# Altium PCB PIC18F_SUBSYSTEM_V1I1_PCB.PcbDoc
Units mm, origin at the board's own origin, x right, y up, seen from the top; angles counter-clockwise.
Board outline 70 x 70 mm, 2 copper layers (Top Layer, Bottom Layer), stack 1.671 mm thick; 70 components, 70 nets, 266 pads, 74 vias.
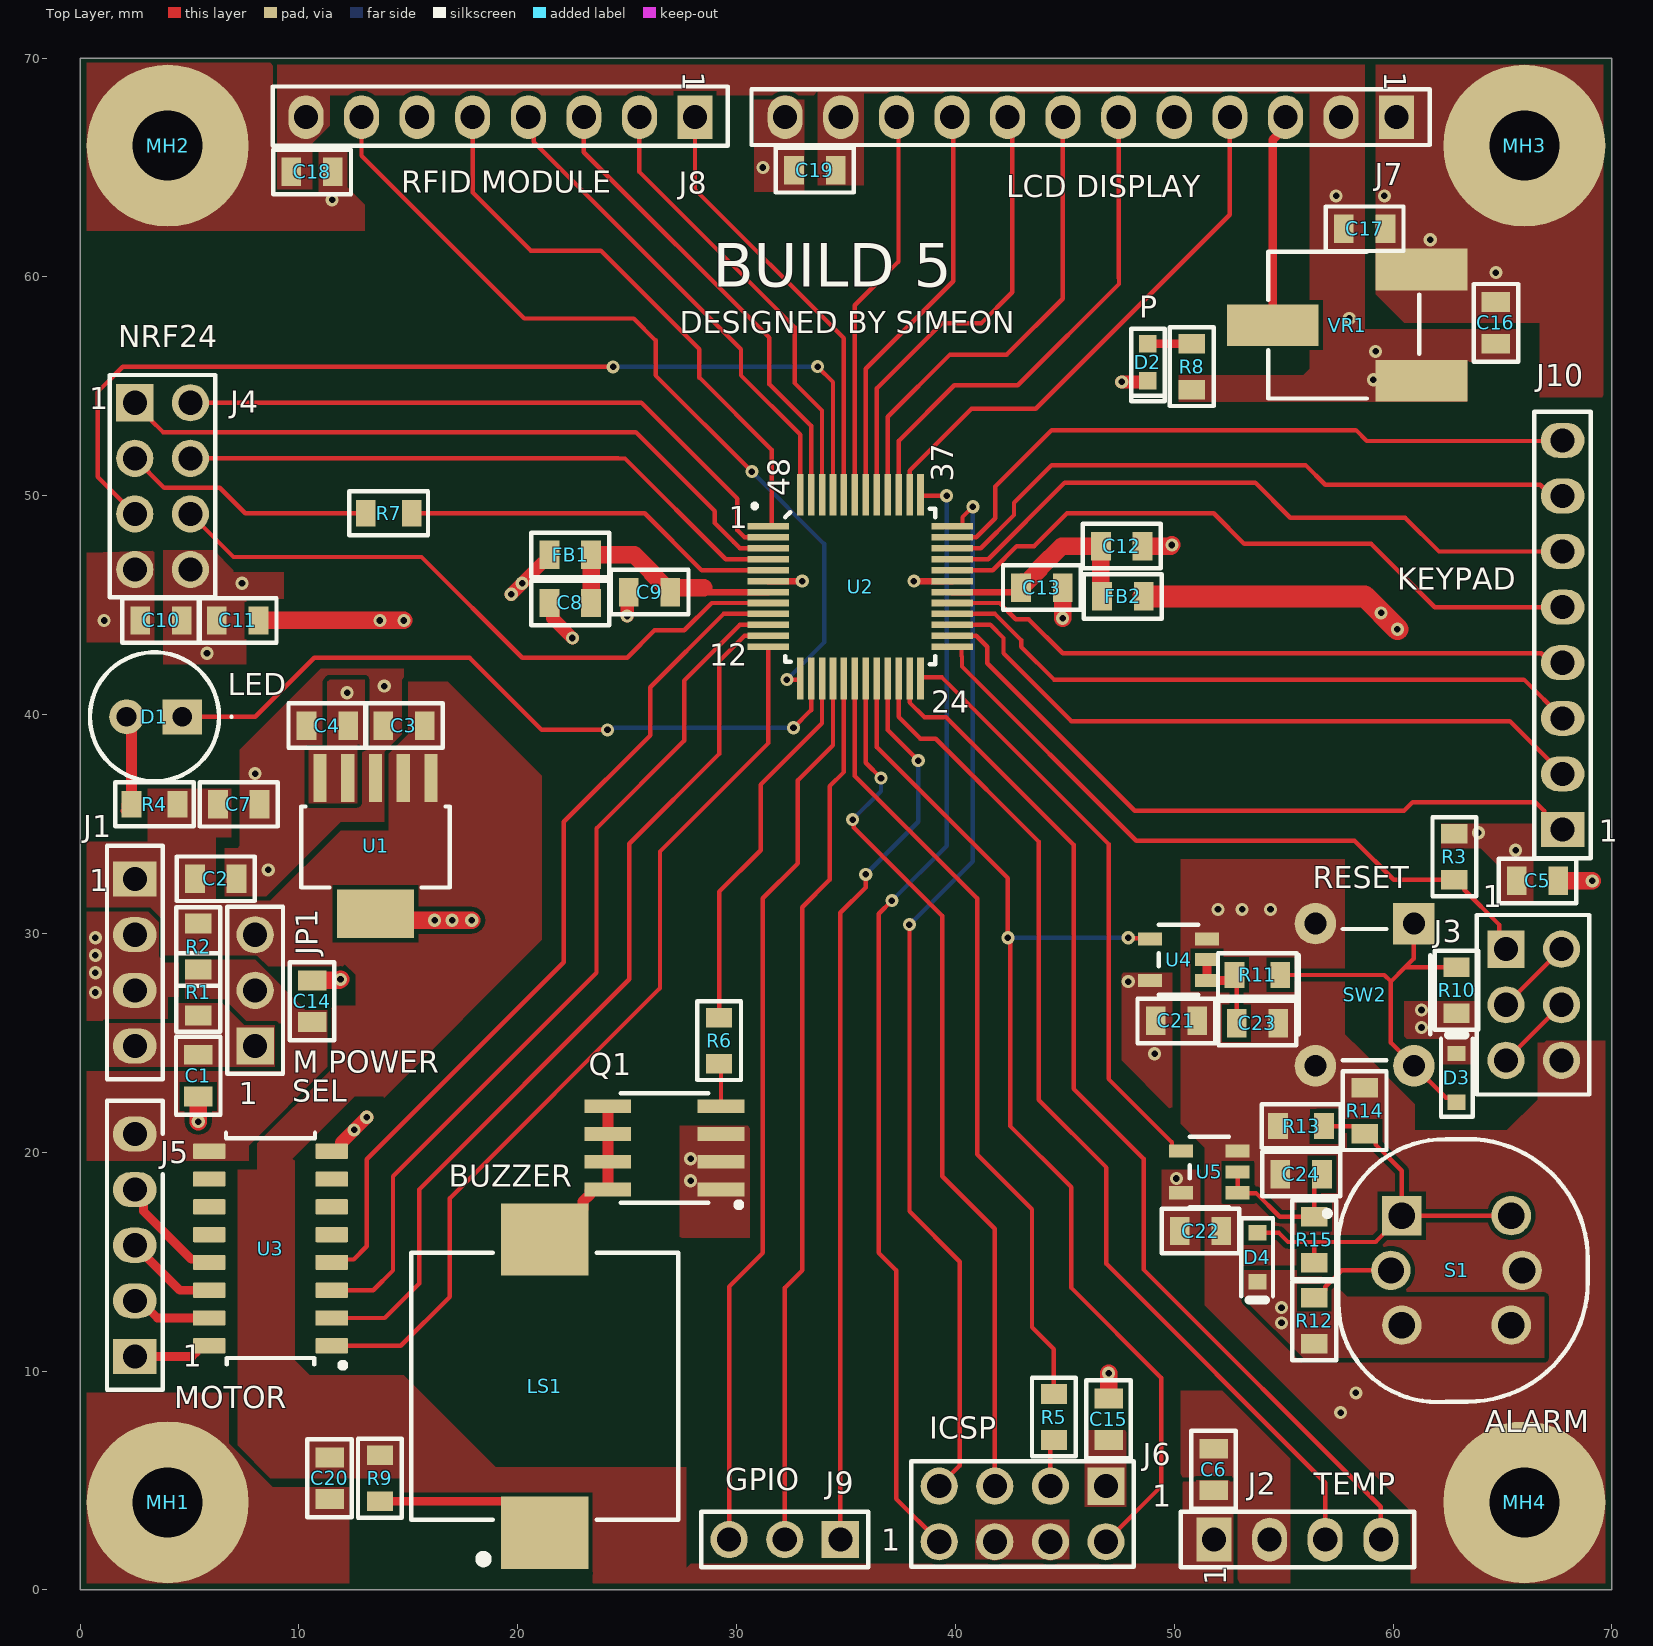
[diagram p0: Top Layer view]
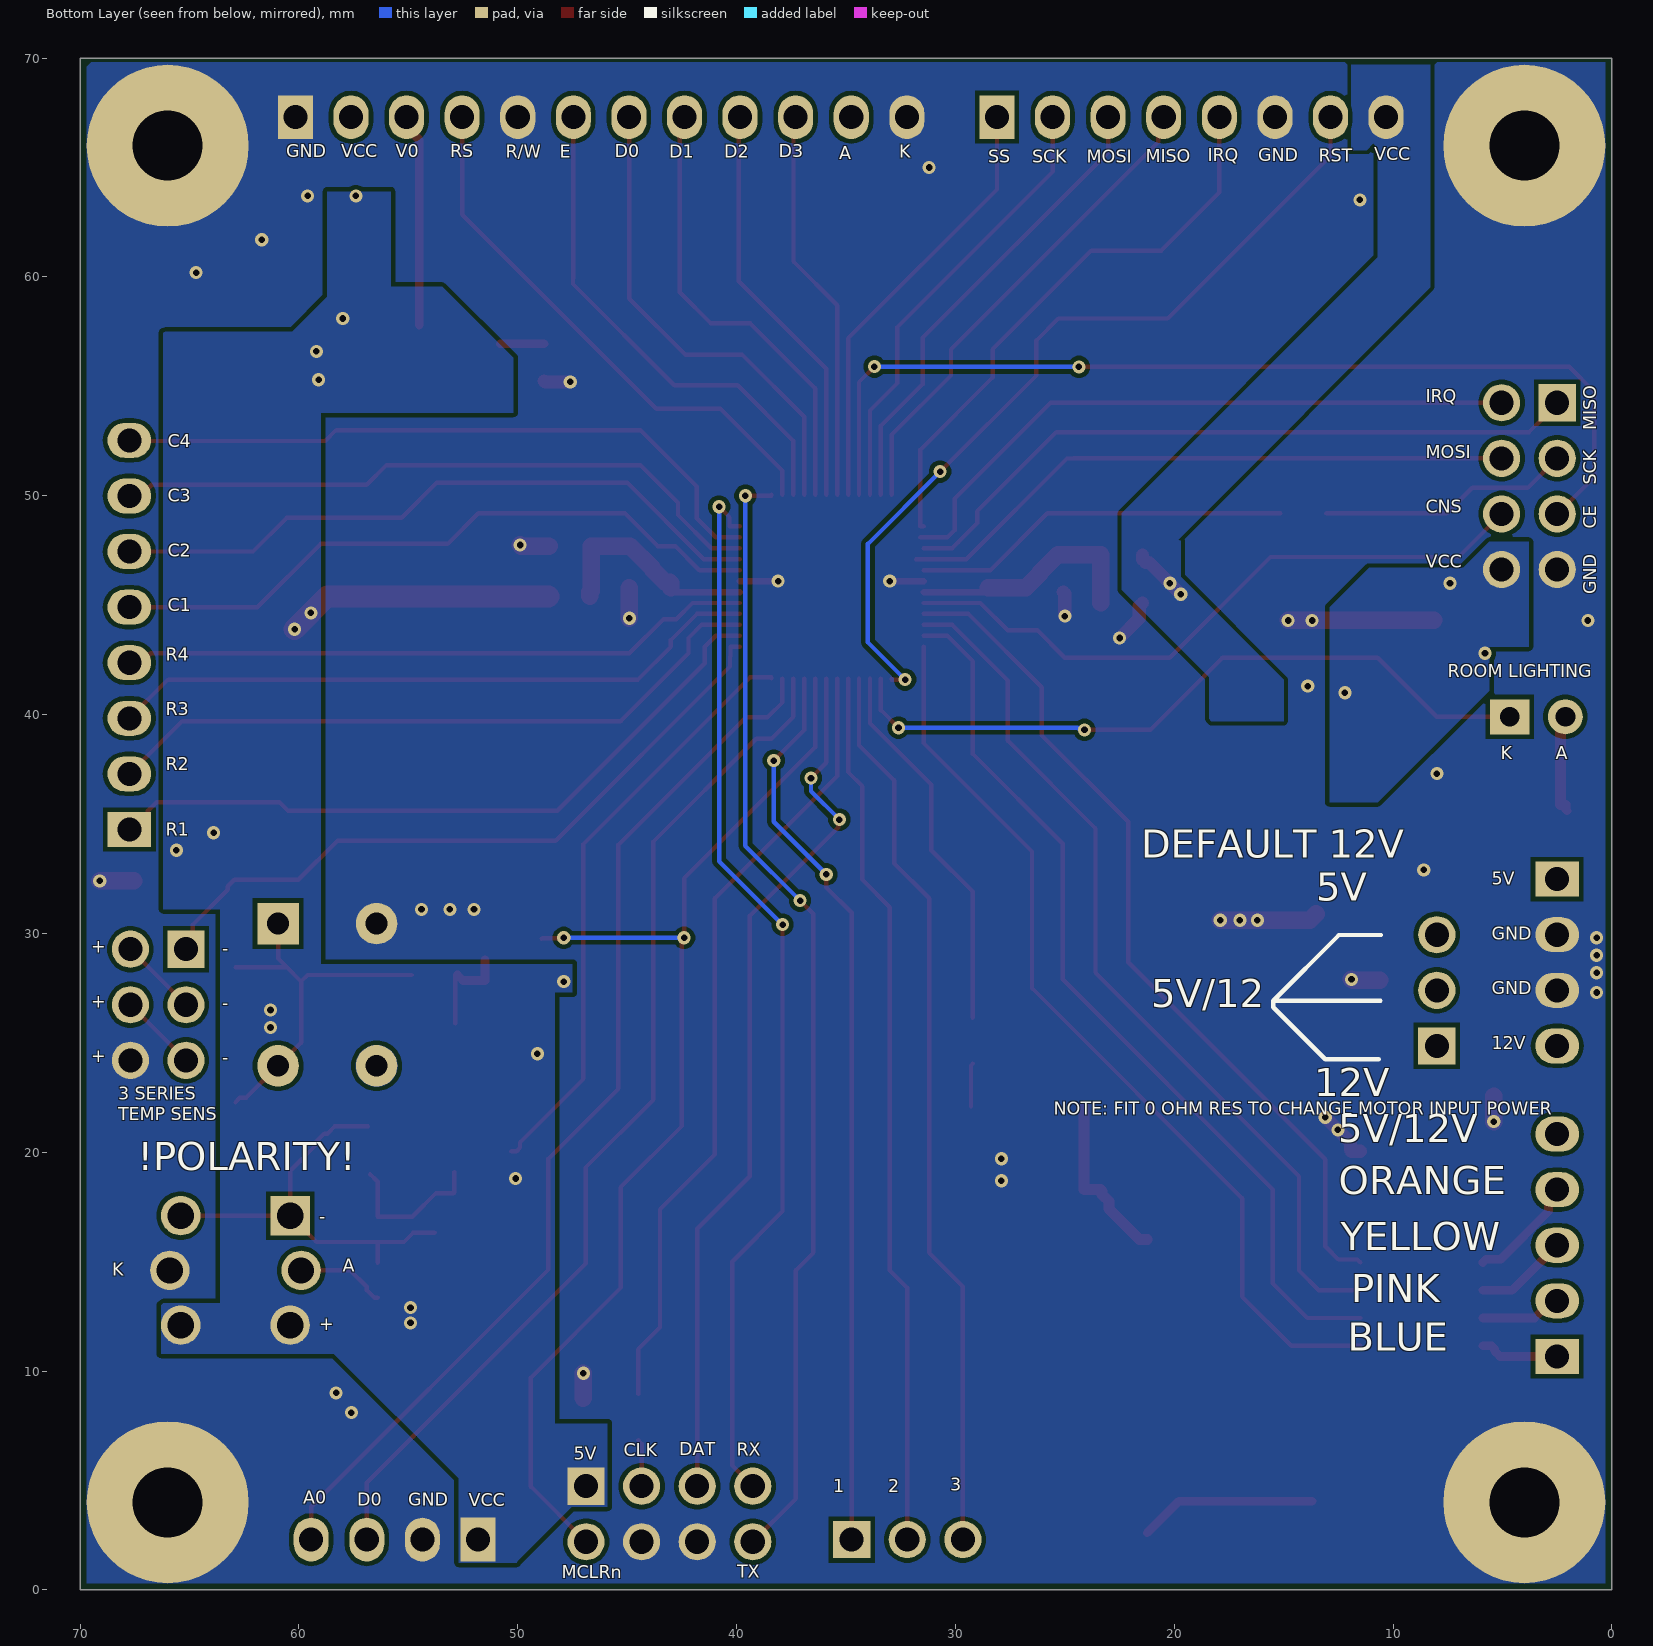
[diagram p1: Bottom Layer view, seen from below]

## Layer stack, top to bottom
Top Solder: solder mask 0.0254, SM-001, Dk 4
Top Layer: signal copper 0.0356
Dielectric 1: dielectric 1.6, FR-4, Dk 4.8
Bottom Layer: signal copper 0.0356
Bottom Solder: solder mask 0.0254, SM-001, Dk 4

## Board outline
0,0 70,0 70,70 0,70

## Design rules (kind name [scope] priority, off if disabled: settings)
Clearance TraceToSolderMaskClearance [All] p1: gap=0.2 ignorepadtopadclearanceinfootprint=FALSE
Clearance "Around Polygons" [IsRegion] p2: gap=0.3 ignorepadtopadclearanceinfootprint=FALSE
Clearance [All] p3: gap=0.2 ignorepadtopadclearanceinfootprint=FALSE
ComponentClearance "SW2 and FID4" [InComponent('SW2') vs InComponent('FID4')] p1: gap=0 collisioncheckmode=3 verticalgap=0 showdistances=FALSE donotcheckwithout3dbody=TRUE
ComponentClearance "Power Resistors" [InComponent('R2') vs InComponent('R1')] p2: gap=0 collisioncheckmode=3 verticalgap=0 showdistances=FALSE
ComponentClearance "DIP SOCKET to MH2 and U1" [InComponentClass('Socket and MCU')] p3: gap=0 collisioncheckmode=3 verticalgap=0 showdistances=FALSE donotcheckwithout3dbody=TRUE
ComponentClearance "MM2 to J2" [InComponent('MH2') vs InComponent('J2')] p4: gap=0 collisioncheckmode=3 verticalgap=0 showdistances=FALSE
ComponentClearance [All] p5: gap=0.2 collisioncheckmode=3 verticalgap=0.2 showdistances=FALSE donotcheckwithout3dbody=TRUE
HoleSize [All] p1: absolutevalues=TRUE maxlimit=10 minlimit=0.2 maxpercent=80.000 minpercent=20.000
HoleToHoleClearance [All] p1: gap=0.3 allowstackedmicrovias=TRUE
HoleToHoleClearance ViaHoleToHoleClearance [IsVia vs IsVia] p2: gap=0.2 allowstackedmicrovias=TRUE
MinimumAnnularRing NPTHMinimumAnnularRing [(ObjectKind = 'Pad') And (PadIsPlated = 'False')] p1: minimumring=0.45
MinimumAnnularRing PTHMinimumAnnularRing [(ObjectKind = 'Pad') And (PadIsPlated = 'True')] p2: minimumring=0.25
MinimumSolderMaskSliver [All] p1: minsoldermaskwidth=0.1
PolygonConnect [All] p1: connectstyle=Direct reliefconductorwidth=0.254 reliefentries=4 polygonreliefangle="90 Angle" airgapwidth=0.254
RoutingVias [All] p1: holewidth=0.3 width=0.6 viastyle="Through Hole" minholewidth=0.3 minwidth=0.6 maxholewidth=0.3 maxwidth=0.6
SilkToSilkClearance [All] p1: silktosilkclearance=0.1
SilkToSolderMaskClearance [IsPad] p1: minsilkscreentomaskgap=0.15 clearancetoexposedcopper=TRUE
SolderMaskExpansion [All] p1: expansion=0.1 istentingtop=TRUE
SupplyNets "Schematic Supply Nets_6" [InNet('+12V/5V')] p1: voltage=0.000
SupplyNets "Schematic Supply Nets_5" [InNet('+12V')] p2: voltage=0.000
SupplyNets "Schematic Supply Nets_3" [InNet('+3V3')] p3: voltage=0.000
SupplyNets "Schematic Supply Nets_2" [InNet('+5V')] p4: voltage=0.000
SupplyNets "Schematic Supply Nets" [InNet('GND')] p5: voltage=0.000
Width "Width Powers MCU" [InNet('+5V_*')] p1: maxlimit=4 minlimit=0.2 preferedwidth=0.2
Width "Width POWERS" [InNet('+*') or InNet('GND')] p2: maxlimit=4 minlimit=0.3 preferedwidth=0.4
Width [All] p3: maxlimit=0.5 minlimit=0.2 preferedwidth=0.2
24 further rules are at their usual default settings.

## Components (designator, comment, footprint, x,y, rotation, side; value= is the part's Value field where it differs from the comment)
C1 "100n" C0805 5.4,23.5 r90 top value=100nF
C2 "100n" C0805 6.2,32.5 r180 top value=100nF
C3 "10 uF / 35V" C0805 14.8,39.5 r0 top value=10uF
C4 "10 uF / 35V" C0805 11.3,39.5 r0 top value=10uF
C5 "100n" C0805 66.6,32.4 r180 top value=100nF
C6 "100n" C0805 51.8,5.5 r270 top value=100nF
C7 "100n" C0805 7.25,35.9 r180 top value=100nF
C8 "10 uF / 35V" C0805 22.4,45.1 r0 top value=10uF
C9 "100n" C0805 26.025,45.6 r0 top value=100nF
C10 "100n" C0805 3.7,44.3 r0 top value=100nF
C11 "10 uF / 35V" C0805 7.2,44.3 r180 top value=10uF
C12 "10 uF / 35V" C0805 47.6,47.7 r180 top value=10uF
C13 "100n" C0805 43.95,45.8 r180 top value=100nF
C14 "100n" C0805 10.6,26.9 r270 top value=100nF
C15 "100n" C0805 47,7.8 r270 top value=100nF
C16 "100n" C0805 64.7,57.9 r270 top value=100nF
C17 "100n" C0805 58.7,62.2 r180 top value=100nF
C18 "100n" C0805 10.6,64.8 r180 top value=100nF
C19 "100n" C0805 33.575,64.875 r0 top value=100nF
C20 "100n" C0805 11.4,5.1 r90 top value=100nF
C21 "100n" C0805 50.1,26 r180 top value=100nF
C22 "100n" C0805 51.2,16.4 r180 top value=100nF
C23 "100n" C0805 53.8,25.9 r180 top value=100nF
C24 "100n" C0805 55.8,19 r0 top value=100nF
D1 "VLHW5100" LED_VLHW5100 3.4,39.9 r180 top
D2 "Green" LED_0603 48.8,56.1 r90 top
D3 "BAT54HT1G" SOD323 62.9,23.4 r270 top
D4 "BAT54HT1G" SOD323 53.8,15.2 r90 top
FB1 "MPZ2012S601AT000" C0805 22.4,47.3 r0 top
FB2 "MPZ2012S601AT000" C0805 47.65,45.4 r180 top
J1 "HDR FMALE 1X4 2.54MM" M20-7820442_HDR_FEMALE_1X4_2.54MM 2.5,32.48 r0 top locked
J2 "HDR FMALE 1X4 2.54MM" M20-7820442_HDR_FEMALE_1X4_2.54MM 51.82,2.3 r90 top locked
J3 "HDR FMALE 2X3 2.54MM" HDR_FEMALE_2X3_2.54MM 65.16,29.28 r0 top locked
J4 "HDR 2X4 2.54MM" HDR_2X4_2.54MM 2.5,54.25 r0 top locked
J5 "HDR FMALE 1X5 2.54MM" M20-7820542_HDR_FEMALE_1X5_2.54MM 2.5,10.67 r180 top locked
J6 "HDR 2X4 2.54MM" HDR_2X4_2.54MM 46.88,4.74 r270 top locked
J7 "HDR FMALE 1X12 2.54MM" HDR_FEMALE_1X12_2.54MM 60.16,67.3 r270 top locked
J8 "HDR FMALE 1X8 2.54MM" HDR_FEMALE_1X8_2.54MM 28.1,67.3 r270 top locked
J9 "HDR 1X3 2.54MM" HDR_1X3_2.54MM 34.74,2.3 r270 top locked
J10 "HDR 1X8 2.54MM" HDR_1X8_2.54MM 67.75,34.75 r180 top locked
JP1 "HDR 1X3" HDR_1X3_2.54MM 8,24.86 r180 top locked
LS1 "PKLCS1212E2400-R1" PKLCS1212E2000-R1 21.233,9.308 r90 top
MH1 "MH_7.4MMC_3.2MMD" MH_7.4MMD_3.2MMD 4,4 r0 top
MH2 "MH_7.4MMC_3.2MMD" MH_7.4MMD_3.2MMD 4,66 r0 top
MH3 "MH_7.4MMC_3.2MMD" MH_7.4MMD_3.2MMD 66,66 r0 top
MH4 "MH_7.4MMC_3.2MMD" MH_7.4MMD_3.2MMD 66,4 r0 top
Q1 "SI4848ADY-T1-GE3" SO-8-IPC_A 26.7,20.2 r180 top
R1 "0R" R0805 5.4,27.3 r90 top value=0mR
R2 "0R" R0805 5.4,29.4 r90 top value=0mR
R3 "1k" R0805 62.8,33.5 r90 top
R4 "560R" R0805 3.4,35.9 r0 top
R5 "22R" R0805 44.5,7.9 r90 top
R6 "100R" R0805 29.2,25.1 r90 top
R7 "22R" R0805 14.1,49.2 r0 top
R8 "560R" R0805 50.8,55.9 r270 top
R9 "1k" R0805 13.7,5.1 r90 top
R10 "10k" R0805 62.9,27.4 r270 top value=10kR
R11 "22R" R0805 53.8,28.1 r180 top
R12 "560R" R0805 56.4,12.3 r270 top
R13 "10k" R0805 55.795,21.195 r0 top value=10kR
R14 "100M" R0805 58.7,21.9 r270 top value=100MR
R15 "22R" R0805 56.4,16 r90 top
S1 "D6RLRDF1LFS" D6RLRDF1LFS 60.4,17.1 r0 top
SW2 "1825910-6" 1825910-6 58.7,27.2 r0 top
U1 "TL1963A-33DCQR" "DCQ (R-PDSO-G6)" 13.5,34 r270 top
U2 "PIC18F57Q43" TQFP48_YX8 35.655,45.85 r0 top locked
U3 "ULN2003ADR" SOIC16 8.7,15.6 r180 top
U4 "SN74AHC1G09DBVR" DBV_SOT_23_5 50.2,28.8 r180 top
U5 "SN74AHC1G09DBVR" DBV_SOT_23_5 51.6,19.1 r180 top
VR1 "10k" 3361P 57.9,57.8 r90 top value=10kR

## Footprints (in the part's own frame and the unit in brackets; to place one, negate y for a bottom-side part, rotate by r counter-clockwise, add the part's x,y. Pads: shape width x height; smd on the part's side, far side on the other; paste and mask are expansions set on the pad)
3361P [mm]
  rect 1.9x4.2 smd paste+0: 1(-2.54,-3.4) 2(0,3.4) 3(2.54,-3.4)
  silkscreen extent -3.35,-3.3 3.35,3.6, body extent -3.35,-4.23 3.35,4.31, height 5.84
1825910-6 [mm]
  rect 1.9x1.9 hole 1: 1(2.25,3.25)
  round 1.9 hole 1: 2(2.25,-3.25) 3(-2.25,3.25) 4(-2.25,-3.25)
  silkscreen extent -3,-3 3,3, body extent -3,-3.9 3,3.9, height 5
C0805 [mm]
  rect 0.9x1.3 smd: 1(-0.95,0) 2(0.95,0)
  silkscreen extent -1.78,-1.02 1.78,1.02, body extent -1,-0.6 1,0.6, height 1.46
D6RLRDF1LFS [mm]
  rect 1.8x1.8 hole 1.2: 1(0,0)
  round 1.8 hole 1.2: 2(5,0) 3(0,-5) 4(5,-5) 5(-0.5,-2.5) 6(5.5,-2.5)
  silkscreen extent -3.52,-8.52 8.5,3.5, body extent -2.9,-8.5 8.5,3.48, height 14.23
DBV_SOT_23_5 [mm]
  rect 1.1x0.6 smd: 1(-1.3,0.95) 2(-1.3,0) 3(-1.3,-0.95) 4(1.3,-0.95) 5(1.3,0.95)
  silkscreen extent -0.9,-1.6 0.9,1.6, body extent -1.51,-1.5 1.51,1.5, height 1.45
"DCQ (R-PDSO-G6)" [mm]
  rect 2.2x0.6 smd: 1(-3.1,2.54) 2(-3.1,1.27) 3(-3.1,0) 4(-3.1,-1.27) 5(-3.1,-2.54)
  rect 2.2x3.5 smd: 6(3.1,0)
  silkscreen extent -1.8,-3.4 1.9,3.4, body extent -3.63,-3.27 3.63,3.27, height 1.79
HDR_1X3_2.54MM [mm]
  rect 1.7x1.7 hole 1.1: 1(0,0)
  round 1.7 hole 1.1: 2(0,-2.54) 3(0,-5.08)
  silkscreen extent -1.27,-6.35 1.27,1.27, body extent -1.2,-6.35 1.2,1.27, height 7.63
HDR_1X8_2.54MM [mm]
  rect 2x1.6 hole 1.1: 1(0,0)
  oval 2x1.6 hole 1.1: 2(0,-2.54) 3(0,-5.08) 4(0,-7.62) 5(0,-10.16) 6(0,-12.7) 7(0,-15.24) 8(0,-17.78)
  silkscreen extent -1.28,-19.09 1.3,1.31, body extent -1.2,-18.85 1.21,1.07, height 8.39
HDR_2X4_2.54MM [mm]
  rect 1.7x1.7 hole 1.1: 1(0,0)
  round 1.7 hole 1.1: 2(2.54,0) 3(0,-2.54) 4(2.54,-2.54) 5(0,-5.08) 6(2.54,-5.08) 7(0,-7.62) 8(2.54,-7.62)
  silkscreen extent -1.14,-8.89 3.68,1.27, body extent -1.14,-8.89 3.69,1.27, height 5.6
HDR_FEMALE_1X8_2.54MM [mm]
  rect 2x1.6 hole 1.1: 1(0,0)
  oval 2x1.6 hole 1.1: 2(0,-2.54) 3(0,-5.08) 4(0,-7.62) 5(0,-10.16) 6(0,-12.7) 7(0,-15.24) 8(0,-17.78)
  silkscreen extent -1.4,-19.3 1.3,1.5, body extent -1.3,-19.26 1.2,1.46, height 8.51
HDR_FEMALE_1X12_2.54MM [mm]
  rect 2x1.6 hole 1.1: 1(0,0)
  oval 2x1.6 hole 1.1: 2(0,-2.54) 3(0,-5.08) 4(0,-7.62) 5(0,-10.16) 6(0,-12.7) 7(0,-15.24) 8(0,-17.78) 9(0,-20.32) 10(0,-22.86) 11(0,-25.4) 12(0,-27.94)
  silkscreen extent -1.27,-29.48 1.27,1.52, body extent -1.27,-29.41 1.23,1.47, height 8.51
HDR_FEMALE_2X3_2.54MM [mm]
  rect 1.7x1.7 hole 1.1: 1(0,0)
  round 1.7 hole 1.1: 2(2.54,0) 3(0,-2.54) 4(2.54,-2.54) 5(0,-5.08) 6(2.54,-5.08)
  silkscreen extent -1.33,-6.64 3.8,1.56, body extent -1.33,-6.55 3.71,1.47, height 8.51
LED_0603 [mm]
  rect 0.8x0.8 smd: 1(-0.85,0) 2(0.85,0)
  silkscreen extent -1.78,-0.76 1.52,0.76, body extent -0.8,-0.4 0.8,0.4, height 0.58
LED_VLHW5100 [mm]
  rect 1.8x1.6 hole 0.91: 1(-1.27,0)
  round 1.6 hole 0.91: 2(1.27,0)
  silkscreen extent -3.57,-2.95 2.95,2.95, body extent -2.5,-2.95 2.94,2.95, height 8.6
M20-7820442_HDR_FEMALE_1X4_2.54MM [mm] "comp: M20-7820442"
  rect 2x1.6 hole 1.1: 1(0,0)
  oval 2x1.6 hole 1.1: 2(0,-2.54) 3(0,-5.08) 4(0,-7.62)
  silkscreen extent -1.27,-9.15 1.27,1.52, body extent -1.27,-9.09 1.23,1.47, height 8.51
M20-7820542_HDR_FEMALE_1X5_2.54MM [mm] "comp: M20-7820542"
  rect 2x1.6 hole 1.1: 1(0,0)
  oval 2x1.6 hole 1.1: 2(0,-2.54) 3(0,-5.08) 4(0,-7.62) 5(0,-10.16)
  silkscreen extent -1.27,-11.68 1.27,1.52, body extent -1.27,-11.63 1.23,1.47, height 8.51
MH_7.4MMD_3.2MMD [mm]
  round 7.4 hole 3.2: 1(0,0)
PKLCS1212E2000-R1 [mm] "PKLCS1212E2000-R1"
  rect 3.3x4 smd paste+0 mask+0: 1(-6.7,0) 2(6.7,0)
  silkscreen extent -8.02,-6.1 6.1,6.1, body extent -6,-6 6,6, height 3
R0805 [mm]
  rect 0.9x1.2 smd: 1(-1.05,0) 2(1.05,0)
  silkscreen extent -1.8,-1 1.8,1, body extent -1,-0.6 1,0.6, height 0.72
SO-8-IPC_A [mm]
  rect 2.135x0.625 smd paste+0: 1(-2.586,1.905) 2(-2.586,0.635) 3(-2.586,-0.635) 4(-2.586,-1.905) 5(2.586,-1.905) 6(2.586,-0.635) 7(2.586,0.635) 8(2.586,1.905)
  silkscreen extent -3.53,-2.5 2,2.72, body extent -3,-2.45 3,2.45, height 1.75
SOD323 [mm]
  rect 0.7x0.83 smd: 1(-1.115,0) 2(1.115,0)
  silkscreen extent -1.96,-0.71 1.78,0.74, body extent -1.25,-0.61 1.25,0.64, height 1
SOIC16 [mm] "SOIC, 16-Leads, Body 10x4mm, Pitch 1.27mm, IPC High Density"
  rrect18% 1.5x0.7 smd: 1(-2.8,4.445) 2(-2.8,3.175) 3(-2.8,1.905) 4(-2.8,0.635) 5(-2.8,-0.635) 6(-2.8,-1.905) 7(-2.8,-3.175) 8(-2.8,-4.445) 9(2.8,-4.445) 10(2.8,-3.175) 11(2.8,-1.905) 12(2.8,-0.635) 13(2.8,0.635) 14(2.8,1.905) 15(2.8,3.175) 16(2.8,4.445)
  silkscreen extent -3.43,-5.29 2.03,5.46, body extent -3,-4.95 3,4.95, height 1.59
TQFP48_YX8 [mm]
  rect 1.9x0.3 smd mask+0.05: 1(-4.2,2.75) 2(-4.2,2.25) 3(-4.2,1.75) 4(-4.2,1.25) 5(-4.2,0.75) 6(-4.2,0.25) 7(-4.2,-0.25) 8(-4.2,-0.75) 9(-4.2,-1.25) 10(-4.2,-1.75) 11(-4.2,-2.25) 12(-4.2,-2.75) 25(4.2,-2.75) 26(4.2,-2.25) 27(4.2,-1.75) 28(4.2,-1.25) 29(4.2,-0.75) 30(4.2,-0.25) 31(4.2,0.25) 32(4.2,0.75) 33(4.2,1.25) 34(4.2,1.75) 35(4.2,2.25) 36(4.2,2.75)
  rect 0.3x1.9 smd mask+0.05: 13(-2.75,-4.2) 14(-2.25,-4.2) 15(-1.75,-4.2) 16(-1.25,-4.2) 17(-0.75,-4.2) 18(-0.25,-4.2) 19(0.25,-4.2) 20(0.75,-4.2) 21(1.25,-4.2) 22(1.75,-4.2) 23(2.25,-4.2) 24(2.75,-4.2) 37(2.75,4.2) 38(2.25,4.2) 39(1.75,4.2) 40(1.25,4.2) 41(0.75,4.2) 42(0.25,4.2) 43(-0.25,4.2) 44(-0.75,4.2) 45(-1.25,4.2) 46(-1.75,4.2) 47(-2.25,4.2) 48(-2.75,4.2)
  silkscreen extent -4.88,-3.56 3.43,3.73, body extent -4.5,-4.5 4.5,4.5, height 1.2

## Part data
C1 C2 C5 C6 C7 C9 C10 C13 C14 C15 C16 C17 C18 C19 C20 C21 C22 C23 C24: library part C2012X7R1H104K085AA, "Ceramic Capacitor, Multilayer, Ceramic, 50V, 10% +Tol, 10% -Tol, X7R, 15% TC, 0.1uF, Surface Mount, 0805", Capacitor Type=Ceramic, Case/Package=0805, Manufacturer=TDK, Max Operating Temperature=125°C, Min Operating Temperature=-55°C, Package Shape=Rectangular, Package Style=SMTMeter, Rated DC Voltage (URdc)=50V, Supplier Part Number=445-7534-1-ND, Temperature Characteristics Code=X7R, Tolerance  (fill in as +-)=10%, Category="Ceramic Capacitors", ComponentLink1Description=https://datasheet.ciiva.com:443/pdfs/VipMasterIC/IC/TDKC/TDKC-S-A0008796792/TDKC-S-A0008796792-1.pdf?src-supplier=IHS+Markit, ComponentLink1URL=https://datasheet.ciiva.com:443/pdfs/VipMasterIC/IC/TDKC/TDKC-S-A0008796792/TDKC-S-A0008796792-1.pdf?src-supplier=IHS+Markit, ComponentLink2Description=https://datasheet.ciiva.com/11788/0900766b80c1bb00-11788128.pdf?src-supplier=Rs, ComponentLink2URL=https://datasheet.ciiva.com/11788/0900766b80c1bb00-11788128.pdf?src-supplier=Rs, ComponentLink3Description=https://datasheet.ciiva.com/23803/1796654-23803035.pdf?src-supplier=Newark, ComponentLink3URL=https://datasheet.ciiva.com/23803/1796654-23803035.pdf?src-supplier=Newark, ComponentLink4Description=https://datasheet.ciiva.com/28602/1571323-28602204.pdf?src-supplier=Element14, ComponentLink4URL=https://datasheet.ciiva.com/28602/1571323-28602204.pdf?src-supplier=Element14, ComponentLink5Description=https://datasheet.ciiva.com/6250/tdkmlcccaprange-6250824.pdf?src-supplier=Digikey, ComponentLink5URL=https://datasheet.ciiva.com/6250/tdkmlcccaprange-6250824.pdf?src-supplier=Digikey, ComponentLink6Description=https://datasheet.ciiva.com/24191/e412-c-24191447.pdf?src-supplier=Future+Electronics, ComponentLink6URL=https://datasheet.ciiva.com/24191/e412-c-24191447.pdf?src-supplier=Future+Electronics, ComponentLink7Description=https://datasheet.ciiva.com/6250/tdkmlcccaprange-6250821.pdf?src-supplier=Digikey, ComponentLink7URL=https://datasheet.ciiva.com/6250/tdkmlcccaprange-6250821.pdf?src-supplier=Digikey, Dielectric Material=Ceramic, Height=0.85mm, JESD-609 Code=e3, Length=2mm, Manufacturer Part Number=C2012X7R1H104K085AA, Mounting Technology="Surface Mount", Multilayer=Yes, Packaging="Tape and Reel", Pins=2, Pricing="1=0.13, 10=0.071, 50=0.0494, 100=0.0426, 500=0.03118, 1000=0.02762 (USD)", Reach SVHC Compliant=Yes, RoHS=Yes, RoHS Compliant=Yes, Stock=1413569, Supplier=Digikey, Supplier 1=Digikey, Supplier Part Number 1=445-7534-1-ND, Terminal Finish=Nickel, Termination=Wraparound, Tolerance (fill in as +-)=10%, Width=1.25mm
C3 C4: library part C2012X5R1V106M125AC, "Ceramic Capacitor, Multilayer, Ceramic, 35V, 20% +Tol, 20% -Tol, X5R, 15% TC, 10uF, Surface Mount, 0805", Capacitor Type=Ceramic, Case/Package=0805, Manufacturer=TDK, Max Operating Temperature=85°C, Min Operating Temperature=-55°C, Package Shape=Rectangular, Package Style=SMTMeter, Rated DC Voltage (URdc)=35V, Supplier Part Number=445-14420-1-ND, Temperature Characteristics Code=X5R, Tolerance  (fill in as +-)=20%, Category="Ceramic Capacitors", ComponentLink1Description=https://datasheet.ciiva.com:443/pdfs/VipMasterIC/IC/TDKC/TDKC-S-A0008796792/TDKC-S-A0008796792-1.pdf?src-supplier=IHS+Markit, ComponentLink1URL=https://datasheet.ciiva.com:443/pdfs/VipMasterIC/IC/TDKC/TDKC-S-A0008796792/TDKC-S-A0008796792-1.pdf?src-supplier=IHS+Markit, ComponentLink2Description=https://datasheet.ciiva.com/14887/tdkmlcccaprange-14887484.pdf?src-supplier=Digikey, ComponentLink2URL=https://datasheet.ciiva.com/14887/tdkmlcccaprange-14887484.pdf?src-supplier=Digikey, ComponentLink3Description=https://datasheet.ciiva.com/14887/tdkmlcccaprange-14887483.pdf?src-supplier=Digikey, ComponentLink3URL=https://datasheet.ciiva.com/14887/tdkmlcccaprange-14887483.pdf?src-supplier=Digikey, ComponentLink4Description=https://datasheet.ciiva.com/14887/tdkmlcccaprange-14887485.pdf?src-supplier=Digikey, ComponentLink4URL=https://datasheet.ciiva.com/14887/tdkmlcccaprange-14887485.pdf?src-supplier=Digikey, Dielectric Material=Ceramic, Height=1.25mm, JESD-609 Code=e3, Length=2mm, Manufacturer Part Number=C2012X5R1V106M125AC, Mounting Technology="Surface Mount", Multilayer=Yes, Packaging="Tape and Reel", Pins=2, Pricing="1=0.71, 10=0.427, 50=0.3158, 100=0.2811, 500=0.22198, 1000=0.20353 (USD)", Reach SVHC Compliant=Yes, RoHS=Yes, RoHS Compliant=Yes, Stock=20704, Supplier=Digikey, Supplier 1=Digikey, Supplier Part Number 1=445-14420-1-ND, Terminal Finish=Nickel, Termination=Wraparound, Tolerance (fill in as +-)=20%, Width=1.25mm